# Altium PCB pulser.PcbDoc (part 1 of 2) (continued)
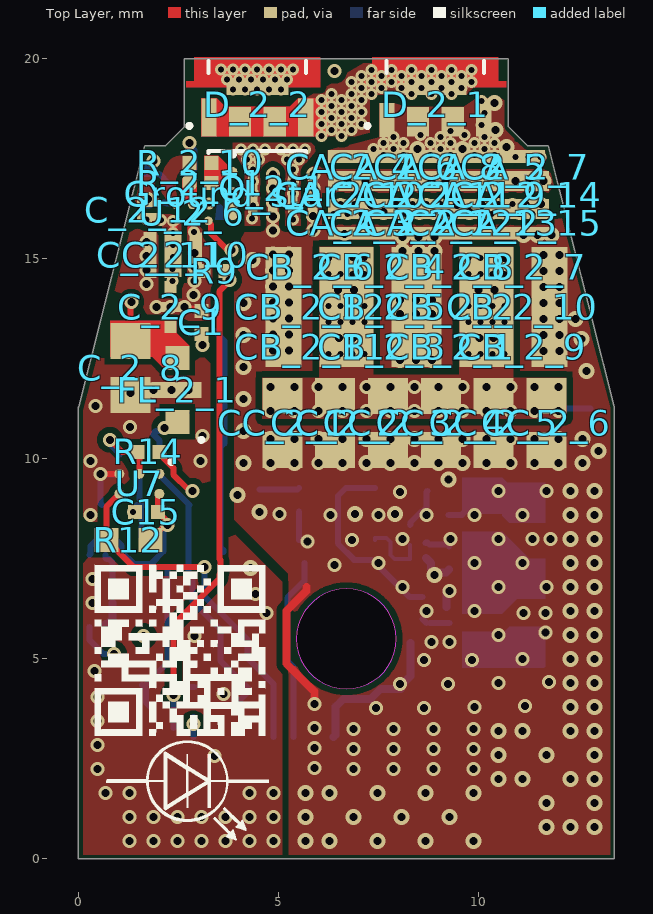
[diagram p0: Top Layer view]
## Footprints (in the part's own frame and the unit in brackets; to place one, negate y for a bottom-side part, rotate by r counter-clockwise, add the part's x,y. Pads: shape width x height; smd on the part's side, far side on the other; paste and mask are expansions set on the pad) (continued)
GND_TIE [mm]
  round 0.35 smd mask+0: 1(0,0)
  round 0.35 smd far side mask+0: 1(0,0)
  round 0.35 on Mid5: 1(0,0)
  round 0.35 on Mid4: 1(0,0)
  round 0.35 on Mid1: 2(0,0)
  round 0.35 on Mid2: 2(0,0)
NFL18ST107H1A3D [mm]
  rect 0.6x0.6 smd: 1(-0.8,0) 3(0.8,0)
  rect 0.4x1.2 smd: 2(0,0)
  body extent -0.8,-0.42 0.8,0.38, height 0.6
Pad-0.6mm [mm] "SMT Test Pad"
  round 0.6 smd paste-5: 1(0,0)
"RES 0201_0603"#1 [mm] "Chip Resistor, 2-Leads, Body 0.60x0.30mm, IPC Medium Density"
  rect 0.35x0.35 smd: 1(-0.275,0) 2(0.275,0)
  body extent -0.3,-0.15 0.3,0.15, height 0.21
"RES 0201_0603"#2 [mm] "Chip Resistor, 2-Leads, Body 0.60x0.30mm, IPC Medium Density"
  rect 0.35x0.35 smd: 1(-0.275,0)
  round 0.025 smd: 2(0.275,0)
  Top Layer region: 0.45,-0.125 0.1,-0.175 0.1,0.175 0.45,0.175
  body extent -0.3,-0.15 0.3,0.15, height 0.21
"RES 0201_0603"#3 [mm] "Chip Resistor, 2-Leads, Body 0.60x0.30mm, IPC Medium Density"
  rect 0.35x0.35 smd: 1(-0.275,0)
  rrect50% 0.35x0.3 smd: 2(0.275,0.025)
  body extent -0.3,-0.15 0.3,0.15, height 0.21
"RES 0201_0603"#4 [mm] "Chip Resistor, 2-Leads, Body 0.60x0.30mm, IPC Medium Density"
  rect 0.35x0.35 smd: 1(-0.275,0)
  rrect50% 0.3x0.3 smd: 2(0.3,-0.025)
  body extent -0.3,-0.15 0.3,0.15, height 0.21
"RES 0201_0603"#5 [mm] "Chip Resistor, 2-Leads, Body 0.60x0.30mm, IPC Medium Density"
  rrect50% 0.35x0.35 smd: 1(-0.275,0)
  rect 0.35x0.35 smd: 2(0.275,0)
  body extent -0.3,-0.15 0.3,0.15, height 0.21
"RES 0402_1005" [mm] "Chip Resistor, 2-Leads, Body 1.0x0.5mm, IPC Medium Density"
  rect 0.6x0.6 smd: 1(-0.55,0) 2(0.55,0)
  body extent -0.5,-0.25 0.5,0.25, height 0.35
SOT65P210X110-5N [mm]
  rect 1x0.4 smd: 1(-0.95,0.65) 2(-0.95,0) 3(-0.95,-0.65) 4(0.95,-0.65) 5(0.95,0.65)
  silkscreen extent -1.55,1.1 -0.43,1.1, body extent -1.05,-1 1.05,1, height 1
SPLS4L90A_3A01#1 [mm]
  rect 0.385x0.95 smd: 1(-1.21,-0.365) 4(1.21,-0.365)
  rect 0.56x0.74 smd: 2(-0.435,-0.47) 3(0.435,-0.47)
  rect 1.55x0.375 smd: 5(0,0.387)
  Top Layer region: -1.775,0.385 1.775,0.385 1.775,0.535 1.575,0.535 1.575,1.135 -1.575,1.135 -1.575,0.535 -1.775,0.535
  silkscreen extent -1.75,-0.62 1.21,1.05, body extent -1.68,-1.22 1.68,1.22, height 0.79
SPLS4L90A_3A01#2 [mm]
  rect 0.385x0.85 smd: 1(-1.21,-0.43)
  rect 0.56x0.74 smd: 2(-0.435,-0.47) 3(0.435,-0.47)
  rect 0.385x0.95 smd: 4(1.21,-0.365)
  rect 1.55x0.375 smd: 5(0,0.387)
  Top Layer region: -1.775,0.385 1.775,0.385 1.775,0.535 1.575,0.535 1.575,1.135 -1.575,1.135 -1.575,0.535 -1.775,0.535
  silkscreen extent -1.75,-0.62 1.21,1.05, body extent -1.68,-1.22 1.68,1.22, height 0.79
SPLS4L90A_3A01#3 [mm]
  rect 0.385x0.95 smd: 1(-1.21,-0.365) 4(1.21,-0.365)
  rect 0.56x0.74 smd: 2(-0.435,-0.47) 3(0.435,-0.47)
  rect 1.55x0.375 smd: 5(0,0.387)
  Top Layer region: -1.775,0.385 1.575,0.385 1.575,0.535 1.575,1.135 -1.575,1.135 -1.575,0.535 -1.775,0.535
  silkscreen extent -1.75,-1.25 1.21,1.05, body extent -1.68,-1.22 1.68,1.22, height 0.79
YZP0005ADAD [mm] "BGA, 5-Balls, Body 1.39x0.89mm, Pitch 0.5mm"
  round 0.25 smd: A1(-0.25,0.5) A2(0.25,0.5) B1(-0.25,0) C1(-0.25,-0.5) C2(0.25,-0.5)
  silkscreen extent -0.6,0.75 -0.5,0.85, body extent -0.45,-0.69 0.45,0.69, height 0.5

## Part data
1 2 3 4 5 6 7 8 9 10 11 _1_11 _2_11: "0.6mm SMT Test Pad", Mounting Technology=SMT
C1 C3 C5 C6 C7 C15: library part GRM033R6YA104ME14D, "CAP CER 0.1UF 35V X5R 0201", Capacitance="0.1 µF", Device Package="0201 (0603 Metric)", Manufacturer="Murata Electronics", Operating Temperature="-55°C ~ 85°C", Supplier Part Number 1=490-10431-1-ND, Temperature Coefficient=X5R, Tolerance=±20%, Voltage - Rated=35V, Applications="General Purpose", ComponentLink1Description=Datasheet, ComponentLink1URL=https://search.murata.co.jp/Ceramy/image/img/A01X/G101/ENG/GRM033R6YA104ME14-01.pdf, ComponentLink2Description="DigiKey Link", ComponentLink2URL=https://www.digikey.com/en/products/detail/murata-electronics/GRM033R6YA104ME14D/5027516, lastupdated="15/07/2023 19:00:56", Lifecycle Status=Active, Minimum Order=1, Mounting Type="Surface Mount", Package / Case="0201 (0603 Metric)", Packaging=CutTape, Part Number=GRM033R6YA104ME14D, Part Status=Active, partid=17, price=0.01, series=GRM, Size / Dimension="0.024\" L x 0.012\" W (0.60mm x 0.30mm)", Supplier 1=Digi-Key, Supplier 2=Mouser, Supplier Part Number 2=81-GRM33R6YA104ME14D, Thickness (Max)="0.013\" (0.33mm)"
C2: library part GCM1555C1H200FA16D, "CAP CER 20PF 50V C0G/NP0 0402", Device Package="0402 (1005 Metric)", Manufacturer="Murata Electronics", Operating Temperature="-55°C ~ 125°C", Ratings=AEC-Q200, Supplier Part Number 1=490-GCM1555C1H200FA16DCT-ND, Temperature Coefficient="C0G, NP0", Tolerance=±1%, Voltage - Rated=50V, Applications=Automotive, Capacitance="20 pF", ComponentLink1Description=Datasheet, ComponentLink1URL=https://search.murata.co.jp/Ceramy/image/img/A01X/G101/ENG/GCM1555C1H200FA16-01.pdf, ComponentLink2Description="DigiKey Link", ComponentLink2URL=https://www.digikey.com/en/products/detail/murata-electronics/GCM1555C1H200FA16D/13401847, lastupdated="15/07/2023 19:03:20", Lifecycle Status=Active, Minimum Order=1, Mounting Type="Surface Mount, MLCC", Package / Case="0402 (1005 Metric)", Packaging=TapeAndReel, Part Number=GCM1555C1H200FA16D, Part Status=Active, partid=45712, price=0.01, series=GCM, Size / Dimension="0.039\" L x 0.020\" W (1.00mm x 0.50mm)", Supplier 1=Digi-Key, Supplier 2=Mouser, Supplier Part Number 2=81-GCM1555C1H200FA6D, Thickness (Max)="0.022\" (0.55mm)"
C4 C13 C14 CC_1_1 CC_1_2 CC_1_3 CC_1_4 CC_1_5 CC_1_6 CC_2_1 CC_2_2 CC_2_3 CC_2_4 CC_2_5 CC_2_6: library part ZRB18AR61E106ME01L, "CAP CER 10UF 25V X5R 0603", Capacitor Type=Ceramic, Case/Package=0603, Manufacturer=Murata, Max Operating Temperature=85°C, Min Operating Temperature=-55°C, Package Shape=Rectangular, Rated DC Voltage (URdc)=25V, Supplier Part Number 1=81-ZRB18AR61E106ME1L, Temperature Characteristics Code=X5R, Tolerance  (fill in as +-)=20%, Category="Ceramic Capacitors", ComponentLink1Description=https://datasheet.ciiva.com:443/pdfs/VipMasterIC/IC/MURE/MURE-S-A0004380799/MURE-S-A0004414239-1.pdf?src-supplier=IHS+Markit, ComponentLink1URL=https://datasheet.ciiva.com:443/pdfs/VipMasterIC/IC/MURE/MURE-S-A0004380799/MURE-S-A0004414239-1.pdf?src-supplier=IHS+Markit, ComponentLink2Description=http://www.farnell.com/datasheets/2243360.pdf?src-supplier=Farnell, ComponentLink2URL=http://www.farnell.com/datasheets/2243360.pdf?src-supplier=Farnell, ComponentLink3Description=http://www.farnell.com/datasheets/2243360.pdf?src-supplier=Newark, ComponentLink3URL=http://www.farnell.com/datasheets/2243360.pdf?src-supplier=Newark, ComponentLink4Description=https://datasheet.octopart.com/ZRB18AR61E106ME01L-Murata-datasheet-67356777.pdf?src-supplier=Element14, ComponentLink4URL=https://datasheet.octopart.com/ZRB18AR61E106ME01L-Murata-datasheet-67356777.pdf?src-supplier=Element14, ComponentLink5Description=https://search.murata.co.jp/Ceramy/image/img/A01X/G101/ENG/ZRB18AR61E106ME01-01.pdf?src-supplier=Digi-Key, ComponentLink5URL=https://search.murata.co.jp/Ceramy/image/img/A01X/G101/ENG/ZRB18AR61E106ME01-01.pdf?src-supplier=Digi-Key, ComponentLink6Description=http://www.farnell.com/datasheets/1885591.pdf?src-supplier=Newark, ComponentLink6URL=http://www.farnell.com/datasheets/1885591.pdf?src-supplier=Newark, ComponentLink7Description=http://www.farnell.com/datasheets/2243360.pdf?src-supplier=Element14, ComponentLink7URL=http://www.farnell.com/datasheets/2243360.pdf?src-supplier=Element14, ComponentLink8Description=https://datasheet.octopart.com/ZRB18AR61E106ME01L-Murata-datasheet-166166243.pdf?src-supplier=TME, ComponentLink8URL=https://datasheet.octopart.com/ZRB18AR61E106ME01L-Murata-datasheet-166166243.pdf?src-supplier=TME, Dielectric Material=Ceramic, Manufacturer Part Number=ZRB18AR61E106ME01L, Mounting Technology="Surface Mount", Multilayer=Yes, Packaging="Tape and Reel", Pins=2, Pricing 1="1=0.36, 10=0.18, 50=0.18, 100=0.128, 1000=0.122, 10000=0.097 (USD)", Reach SVHC Compliant=Yes, RoHS=Yes, RoHS Compliant=Yes, Stock 1=348476, Supplier 1=Mouser, Termination=Wraparound, Tolerance (fill in as +-)=20%
C_1_8 C_2_8 CB_1_1 CB_1_2 CB_1_3 CB_1_4 CB_1_5 CB_1_6 CB_1_7 CB_1_8 CB_1_9 CB_1_10 CB_1_11 CB_1_12 CB_2_1 CB_2_2 CB_2_3 CB_2_4 CB_2_5 CB_2_6 CB_2_7 CB_2_8 CB_2_9 CB_2_10 CB_2_11 CB_2_12: library part GRM188R61H225KE11D, "CAP CER 2.2UF 50V X5R 0603", Device Package="0603 (1608 Metric)", Manufacturer="Murata Electronics", Operating Temperature="-55°C ~ 85°C", Supplier Part Number 1=490-10733-1-ND, Temperature Coefficient=X5R, Tolerance=±10%, Voltage - Rated=50V, Applications="General Purpose", Capacitance="2.2 µF", ComponentLink1Description=Datasheet, ComponentLink1URL=https://search.murata.co.jp/Ceramy/image/img/A01X/G101/ENG/GRM188R61H225KE11-01.pdf, ComponentLink2Description="DigiKey Link", ComponentLink2URL=https://www.digikey.com/en/products/detail/murata-electronics/GRM188R61H225KE11D/4905363, lastupdated="15/07/2023 19:07:37", Lifecycle Status=Active, Minimum Order=1, Mounting Type="Surface Mount, MLCC", Package / Case="0603 (1608 Metric)", Packaging=TapeAndReel, Part Number=GRM188R61H225KE11D, Part Status=Active, partid=39151, price=0.04, series=GRM, Size / Dimension="0.063\" L x 0.031\" W (1.60mm x 0.80mm)", Supplier 1=DigiKey, Supplier 2=Mouser, Supplier Part Number 2=81-GRM188R61H225KE1D, Thickness (Max)="0.039\" (1.00mm)"
C_1_9 C_2_9: "CAP Feed Through, 470 nF, 6.3V, 2A, 3 Pin(s)", Capacitance=470nF, Case/Package=0402, Current=2A, DC Resistance (DCR)=30mR, Manufacturer=Murata, Max Operating Temperature=105°C, Min Operating Temperature=-55°C, Package Quantity=10000, Supplier Part Number=81-NFM15PC474R0J3D, Tolerance=20%, Voltage Rating=4V, Category="Ceramic Capacitors", Channels=1, ComponentLink1Description=https://datasheet.ciiva.com:443/pdfs/VipMasterIC/IC/MURE/MURE-S-A0002978318/MURE-S-A0002990019-1.pdf?src-supplier=IHS+Markit, ComponentLink1URL=https://datasheet.ciiva.com:443/pdfs/VipMasterIC/IC/MURE/MURE-S-A0002978318/MURE-S-A0002990019-1.pdf?src-supplier=IHS+Markit, ComponentLink2Description=http://www.mouser.com/ds/2/281/c31e-794748.pdf?src-supplier=Mouser, ComponentLink2URL=http://www.mouser.com/ds/2/281/c31e-794748.pdf?src-supplier=Mouser, ComponentLink3Description=https://search.murata.co.jp/Ceramy/image/img/A01X/G101/ENG/NFM15PC474R0J3-01.pdf?src-supplier=Digi-Key, ComponentLink3URL=https://search.murata.co.jp/Ceramy/image/img/A01X/G101/ENG/NFM15PC474R0J3-01.pdf?src-supplier=Digi-Key, ComponentLink4Description=http://search.murata.co.jp/Ceramy/image/img/A01X/G101/ENG/NFM15PC474R0J3-01.pdf?src-supplier=Digi-Key, ComponentLink4URL=http://search.murata.co.jp/Ceramy/image/img/A01X/G101/ENG/NFM15PC474R0J3-01.pdf?src-supplier=Digi-Key, ComponentLink5Description=http://search.murata.co.jp/Ceramy/image/img/w_hinm/S0109E.pdf?src-supplier=Digi-Key, ComponentLink5URL=http://search.murata.co.jp/Ceramy/image/img/w_hinm/S0109E.pdf?src-supplier=Digi-Key, ComponentLink6Description=https://datasheet.octopart.com/NFM15PC474R0J3D-Murata-datasheet-82526264.pdf?src-supplier=Future+Electronics, ComponentLink6URL=https://datasheet.octopart.com/NFM15PC474R0J3D-Murata-datasheet-82526264.pdf?src-supplier=Future+Electronics, Current Rating=2A, DC Resistance-Max=30mR, Filter Type="FEED THROUGH CAPACITOR", Height=0.02inch, Length=0.039inch, Manufacturer Part Number=NFM15PC474R0J3D, Mount="Surface Mount", Mounting Technology="Surface Mount", Packaging="Tape and Reel", Pricing="1=0.1, 10=0.048, 50=0.048, 100=0.043, 1000=0.027, 10000=0.024 (USD)", Reach SVHC Compliant=Yes, RoHS=Yes, RoHS Compliant=Yes, Stock=109781, Supplier=Mouser, Supplier 1=Mouser, Supplier Part Number 1=81-NFM15PC474R0J3D, Width=0.02inch
C_1_10 C_2_10 CA_1_1 CA_1_2 CA_1_3 CA_1_4 CA_1_5 CA_1_6 CA_1_7 CA_1_8 CA_1_9 CA_1_10 CA_1_11 CA_1_12 CA_1_13 CA_1_14 CA_1_15 CA_2_1 CA_2_2 CA_2_3 CA_2_4 CA_2_5 CA_2_6 CA_2_7 CA_2_8 CA_2_9 CA_2_10 CA_2_11 CA_2_12 CA_2_13 CA_2_14 CA_2_15: library part CGAEA1X7R1H473M030BC, "CAP CER 47 nF, 50V, 20%  X7R  0204", Manufacturer=TDK, Mouser Part Number=810-CGAEA1X7R1H473M0, Arrow Part Number=CGAEA1X7R1H473M030BC, Arrow Price/Stock=https://www.arrow.com/en/products/cgaea1x7r1h473m030bc/tdk, Category="Ceramic Capacitors", ComponentLink1Description=https://datasheet.ciiva.com:443/pdfs/VipMasterIC/IC/TDKC/TDKC-S-A0005729183/TDKC-S-A0005729183-1.pdf?src-supplier=IHS+Markit, ComponentLink1URL=https://datasheet.ciiva.com:443/pdfs/VipMasterIC/IC/TDKC/TDKC-S-A0005729183/TDKC-S-A0005729183-1.pdf?src-supplier=IHS+Markit, ComponentLink2Description=https://product.tdk.com/info/en/catalog/datasheets/mlcc_automotive_lwreverse_cga_en.pdf?src-supplier=Digi-Key, ComponentLink2URL=https://product.tdk.com/info/en/catalog/datasheets/mlcc_automotive_lwreverse_cga_en.pdf?src-supplier=Digi-Key, Datasheet Link=https://product.tdk.com/system/files/dam/doc/product/capacitor/ceramic/mlcc/catalog/mlcc_automotive_lwreverse_cga_en.pdf, Height=0.35mm, Manufacturer Part Number=CGAEA1X7R1H473M030BC, Manufacturer_Name=TDK, Manufacturer_Part_Number=CGAEA1X7R1H473M030BC, Mouser Price/Stock=https://www.mouser.co.uk/ProductDetail/TDK/CGAEA1X7R1H473M030BC?qs=w%2Fv1CP2dgqqHjWKa5Bydbw%3D%3D, Pricing="1=0.28, 10=0.142, 50=0.142, 100=0.085, 1000=0.075, 10000=0.059 (USD)", RoHS=No, Stock=43378, Supplier=Mouser, Supplier 1=Mouser, Supplier Part Number=810-CGAEA1X7R1H473M0, Supplier Part Number 1=810-CGAEA1X7R1H473M0
C_1_11 C_2_11: library part LLL152D70J105ME01D, "CAP LOW L CER 1UF 6.3V X7T 0204", Manufacturer=Murata, Supplier Part Number=81-LLL152D70J105ME01, Category="Ceramic Capacitors", Manufacturer Part Number=LLL152D70J105ME01D, Pricing="1=0.32, 10=0.173, 50=0.173, 100=0.104, 1000=0.08, 10000=0.06 (USD)", RoHS=No, Stock=241363, Supplier=Mouser, Supplier 1=Mouser, Supplier Part Number 1=81-LLL152D70J105ME01
C_1_12 C_2_12: library part LLL03TR61E333KE01, "CAP LOW L CER 33nF 25V X5R 0102", Manufacturer=Murata, Manufacturer Part Number=LLL03TR61E333KE01L, Supplier Part Number=490-LLL03TR61E333KE01LCT-ND, Supplier Part Number 1=81-LLL03T61E333KE01L, Pricing="1=0.3, 10=0.208, 50=0.1386, 100=0.1179, 500=0.08322, 1000=0.07281, 2500=0.06934, 5000=0.06414 (USD)", Reach SVHC Compliant=Yes, RoHS=Yes, RoHS Compliant=Yes, Stock=19050, Supplier=Digi-Key, Supplier 1=Mouser
D_1_1 D_1_2 D_2_1 D_2_2: "Diode Laser", Manufacturer_Name=OSRAM, Manufacturer_Part_Number="SPL S4L90A_3 A01", Mouser Part Number=720-SPLS4L90A3A01, Datasheet Link=https://dammedia.osram.info/media/resource/hires/osram-dam-6648421/SPL%20S4L90A_3%20A01_EN.pdf, Height=0.69mm, Mouser Price/Stock=https://www.mouser.co.uk/ProductDetail/OSRAM-Opto-Semiconductors/SPL-S4L90A_3-A01?qs=OlC7AqGiEDn4aov%2F5GIeZw%3D%3D, Supplier 1=Mouser, Supplier Part Number 1=720-SPLS4L90A3A01
FB1 FB2: library part BLM18SP101SN1, "FERRITE BEAD 100 OHM 0603 1LN", Manufacturer=Murata, Manufacturer Part Number=BLM18SP101SN1D, Supplier Part Number 1=81-BLM18SP101SN1D, Category="Ferrite Beads and Chips", Pricing 1="1=0.21, 10=0.108, 50=0.108, 100=0.074, 1000=0.055, 10000=0.048 (USD)", RoHS=Yes, Stock 1=17354, Supplier 1=Mouser
FL_1_1 FL_2_1: "LC Filter", Manufacturer_Name="Murata Electronics", Mouser Part Number=81-NFL18ZT506H1A3D, Datasheet Link=https://www.murata.com/en-us/products/productdetail?partno=NFL18ZT506H1A3%23, Height=0.7mm, Manufacturer_Part_Number=NFL18ZT506H1A3D, Mouser Price/Stock=https://www.mouser.co.uk/ProductDetail/Murata-Electronics/NFL18ZT506H1A3D?qs=Ey7%2FXF42M3fNYpmPMs%252BiMA%3D%3D, Supplier 1=Mouser, Supplier Part Number 1=81-NFL18ZT506H1A3D
J1: "Conn FPC  18 POS 0.5mm", Manufacturer=Molex, Manufacturer Part Number=5034801800, Supplier Part Number 1=538-503480-1800, Category="FFC / FPC", ComponentLink1Description=https://datasheet.ciiva.com/671/5034800400-sd-671136.pdf?src-supplier=Digi-Key, ComponentLink1URL=https://datasheet.ciiva.com/671/5034800400-sd-671136.pdf?src-supplier=Digi-Key, ComponentLink2Description=https://datasheet.ciiva.com/10366/5034801800-ffc-fpc-connectors-10366583.pdf?src-supplier=Avnet, ComponentLink2URL=https://datasheet.ciiva.com/10366/5034801800-ffc-fpc-connectors-10366583.pdf?src-supplier=Avnet, ComponentLink3Description=https://datasheet.ciiva.com/5137/5034801800-ffc-fpc-connectors-179548-5137672.pdf?src-supplier=Mouser, ComponentLink3URL=https://datasheet.ciiva.com/5137/5034801800-ffc-fpc-connectors-179548-5137672.pdf?src-supplier=Mouser, Pricing 1="1=1.48, 10=1.23, 50=1.23, 100=1.06, 1000=0.885, 10000=0.766 (USD)", RoHS=Yes, Stock 1=17529, Supplier 1=Mouser
LED1: "Diode LED RED 10 mA @ 1.93 V lv=40", Manufacturer=Kingbright, Supplier Part Number 1=604-APG0603SECETT, Category=LEDs, ComponentLink1Description=https://datasheet.ciiva.com:443/pdfs/VipMasterIC/IC/KBEC/KBEC-S-A0008424280/KBEC-S-A0008424280-1.pdf?src-supplier=IHS+Markit, ComponentLink1URL=https://datasheet.ciiva.com:443/pdfs/VipMasterIC/IC/KBEC/KBEC-S-A0008424280/KBEC-S-A0008424280-1.pdf?src-supplier=IHS+Markit, ComponentLink2Description=http://www.kingbrightusa.com/images/catalog/SPEC/APG0603SEC-E-TT.pdf?src-supplier=Digi-Key, ComponentLink2URL=http://www.kingbrightusa.com/images/catalog/SPEC/APG0603SEC-E-TT.pdf?src-supplier=Digi-Key, Manufacturer Part Number=APG0603SEC-E-TT, Optoelectronic Device Type="SINGLE COLOR LED", Pricing 1="1=0.49, 10=0.299, 50=0.299, 100=0.172, 1000=0.123, 10000=0.106 (USD)", Reach SVHC Compliant=Yes, RoHS=Yes, RoHS Compliant=Yes, Stock 1=6830, Supplier 1=Mouser
LED2: "Diode LED BLUE 10 mA @ 2.9 V lv=60", Manufacturer=Kingbright, Supplier Part Number 1=604-APG0603VBCA15MAV, Category=LEDs, Manufacturer Part Number=APG0603VBC-A1-5MAV, Pricing 1="1=0.64, 10=0.396, 50=0.396, 100=0.228, 1000=0.171, 10000=0.146 (USD)", RoHS=Yes, Stock 1=23353, Supplier 1=Mouser
LED3: "Diode LED GREEN 5 mA @ 2.85 V lv=80(?)", Manufacturer=Kingbright, Supplier Part Number 1=604-APG0603ZGC-5MAV, Category=LEDs, Manufacturer Part Number=APG0603ZGC-5MAV, Pricing 1="1=0.54, 10=0.335, 50=0.335, 100=0.193, 1000=0.139, 10000=0.118 (USD)", RoHS=Yes, Stock 1=11940, Supplier 1=Mouser
Q_1_1 Q_2_1: "Transistor eGaN", Manufacturer_Name=EPC, Supplier Part Number 1=917-EPC2619ENGRTCT-ND, Datasheet Link=https://epc-co.com/epc/Portals/0/epc/documents/datasheets/EPC2619_datasheet.pdf?ver=TMorboM_55DlaHDCA464lg%3d%3d, Height=0.638mm, Manufacturer_Part_Number=EPC2619ENGRT, Supplier 1=Digi-Key
R1 R4: library part ERJ-1GNF4991C_1, "RES SMD 470 OHM 1% 1/20W 0201", Case/Package=0201, Manufacturer=Panasonic, Manufacturer Part Number=ERJ-1GNF4700C, Max Operating Temperature=125°C, Min Operating Temperature=-55°C, Package Height=0.23mm, Package Length=0.6mm, Package Shape=Rectangular, Package Style=SMTMeter, Package Width=0.3mm, Power=50mW, Rated Temperature=70°C, Resistor Type="FIXED RESISTOR", Supplier Part Number=667-ERJ-1GNF4700C, Temperature Coefficient=200ppm/°C, Tolerance=1%, Working Voltage=25V, Category="Chip SMD Resistors", ComponentLink1Description=https://datasheet.ciiva.com:443/pdfs/VipMasterIC/IC/PANA/PANA-S-A0009889626/PANA-S-A0009889626-1.pdf?src-supplier=IHS+Markit, ComponentLink1URL=https://datasheet.ciiva.com:443/pdfs/VipMasterIC/IC/PANA/PANA-S-A0009889626/PANA-S-A0009889626-1.pdf?src-supplier=IHS+Markit, ComponentLink2Description=https://datasheet.ciiva.com/24027/aoa0000ce2-24027045.pdf?src-supplier=Mouser, ComponentLink2URL=https://datasheet.ciiva.com/24027/aoa0000ce2-24027045.pdf?src-supplier=Mouser, ComponentLink3Description=https://datasheet.ciiva.com/43467/1678782-43467046.pdf?src-supplier=Farnell, ComponentLink3URL=https://datasheet.ciiva.com/43467/1678782-43467046.pdf?src-supplier=Farnell, ComponentLink4Description=https://datasheet.ciiva.com/46375/1678782-46375269.pdf?src-supplier=Element14, ComponentLink4URL=https://datasheet.ciiva.com/46375/1678782-46375269.pdf?src-supplier=Element14, ComponentLink5Description=https://datasheet.ciiva.com/7830/1678782-7830713.pdf?src-supplier=Element14, ComponentLink5URL=https://datasheet.ciiva.com/7830/1678782-7830713.pdf?src-supplier=Element14, Construction=Rectangular, JESD-609 Code=e3, Mounting Technology="Surface Mount", Packaging="Tape and Reel", Pins=2, Pricing="1=0.1, 10=0.03, 50=0.03, 100=0.014, 1000=0.01, 10000=0.007 (USD)", Reach SVHC Compliant=Yes, Reference Standard=AEC-Q200, RoHS=Yes, RoHS Compliant=Yes, Stock=294822, Supplier=Mouser, Supplier 1=Mouser, Supplier Part Number 1=667-ERJ-1GNF4700C, Technology="METAL GLAZE/THICK FILM", Terminal Finish=Nickel, Termination=Wraparound
R2 R12: library part ERA-2AEB4991X, "RES SMD 4.99KOHM 0.1% 1/16W 0402", Device Package="0402 (1005 Metric)", Manufacturer="Panasonic Electronic Components", Operating Temperature="-55°C ~ 155°C", Power (Watts)="0.063W, 1/16W", Ratings=AEC-Q200, Resistance="4.99 kOhms", Supplier Device Package=0402, Supplier Part Number 1=10-ERA-2AEB4991XCT-ND, Temperature Coefficient=±25ppm/°C, Tolerance=±0.1%, ComponentLink1Description=Datasheet, ComponentLink1URL=https://industrial.panasonic.com/cdbs/www-data/pdf/RDM0000/AOA0000C307.pdf, ComponentLink2Description="DigiKey Link", ComponentLink2URL=https://www.digikey.com/en/products/detail/panasonic-electronic-components/ERA-2AEB4991X/2026116, Composition="Thin Film", Features="Automotive AEC-Q200", Height - Seated (Max)="0.016\" (0.40mm)", lastupdated="13/07/2023 19:22:52", Lifecycle Status=Active, Minimum Order=1, Number of Terminations=2, Package / Case="0402 (1005 Metric)", Packaging=TapeAndReel, Part Number=ERA-2AEB4991X, Part Status=Active, partid=6112, price=0.04, series=ERA-2A, Size / Dimension="0.039\" L x 0.020\" W (1.00mm x 0.50mm)", Supplier 1=Digi-Key, Supplier 2=Mouser, Supplier Part Number 2=667-ERA-2AEB4991X
R3: library part ERJ-1GNF51R0C, "RES SMD 51 OHM 1% 1/20W 0201", Case/Package=0201, Manufacturer=Panasonic, Manufacturer Part Number=ERJ1GNF51R0C, Max Operating Temperature=125°C, Min Operating Temperature=-55°C, Package Height=0.23mm, Package Length=0.6mm, Package Shape=Rectangular, Package Style=SMTMeter, Package Width=0.3mm, Power=50mW, Rated Temperature=70°C, Resistor Type="FIXED RESISTOR", Supplier Part Number=667-ERJ-1GNF51R0C, Temperature Coefficient=200ppm/°C, Tolerance=1%, Working Voltage=25V, Category="Chip SMD Resistors", ComponentLink1Description=https://datasheet.ciiva.com:443/pdfs/VipMasterIC/IC/PANA/PANA-S-A0009889626/PANA-S-A0009889626-1.pdf?src-supplier=IHS+Markit, ComponentLink1URL=https://datasheet.ciiva.com:443/pdfs/VipMasterIC/IC/PANA/PANA-S-A0009889626/PANA-S-A0009889626-1.pdf?src-supplier=IHS+Markit, ComponentLink2Description=https://datasheet.ciiva.com/43467/1678782-43467023.pdf?src-supplier=Farnell, ComponentLink2URL=https://datasheet.ciiva.com/43467/1678782-43467023.pdf?src-supplier=Farnell, ComponentLink3Description=https://datasheet.ciiva.com/24130/aoa0000ce2-24130655.pdf?src-supplier=Mouser, ComponentLink3URL=https://datasheet.ciiva.com/24130/aoa0000ce2-24130655.pdf?src-supplier=Mouser, ComponentLink4Description=https://datasheet.ciiva.com/46375/1678782-46375932.pdf?src-supplier=Element14, ComponentLink4URL=https://datasheet.ciiva.com/46375/1678782-46375932.pdf?src-supplier=Element14, ComponentLink5Description=https://datasheet.ciiva.com/7891/aoa0000ce2-7891288.pdf?src-supplier=Element14, ComponentLink5URL=https://datasheet.ciiva.com/7891/aoa0000ce2-7891288.pdf?src-supplier=Element14, Construction=Rectangular, JESD-609 Code=e3, Mounting Technology="Surface Mount", Packaging="Tape and Reel", Pins=2, Pricing="1=0.1, 10=0.033, 50=0.033, 100=0.015, 1000=0.011, 10000=0.007 (USD)", Reach SVHC Compliant=Yes, Reference Standard=AEC-Q200, RoHS=Yes, RoHS Compliant=Yes, Stock=39473, Supplier=Mouser, Supplier 1=Mouser, Supplier Part Number 1=667-ERJ-1GNF51R0C, Technology="METAL GLAZE/THICK FILM", Terminal Finish=Nickel, Termination=Wraparound
R6: library part ERJ-U01F1004C, "RES SMD 1MOHM 1% 1/20W 0201", Manufacturer=Panasonic, Supplier Part Number=667-ERJ-U01F1004C, Category="Chip SMD Resistors", ComponentLink1Description=https://datasheet.ciiva.com/24200/ras-erj-u-267552-24200389.pdf?src-supplier=Mouser, ComponentLink1URL=https://datasheet.ciiva.com/24200/ras-erj-u-267552-24200389.pdf?src-supplier=Mouser, Manufacturer Part Number=ERJ-U01F1004C, Pricing="1=0.35, 10=0.157, 50=0.157, 100=0.071, 1000=0.049, 10000=0.038 (USD)", RoHS=Yes, Stock=28729, Supplier=Mouser, Supplier 1=Mouser, Supplier Part Number 1=667-ERJ-U01F1004C
R7: library part ERJ-1RHD1003C, "RES SMD 100 kOHM 0.5% 1/20W 0201", Case/Package=0201, Manufacturer=Panasonic, Max Operating Temperature=125°C, Min Operating Temperature=-55°C, Package Height=0.23mm, Package Length=0.6mm, Package Shape=Rectangular, Package Style=SMTMeter, Package Width=0.3mm, Power=50mW, Rated Temperature=70°C, Resistor Type="FIXED RESISTOR", Supplier Part Number 1=667-ERJ-1RHD1003C, Temperature Coefficient=50ppm/°C, Tolerance=0.5%, Working Voltage=15V, Additional Feature=PRECISION, Category="Chip SMD Resistors", ComponentLink1Description=https://datasheet.ciiva.com:443/pdfs/VipMasterIC/IC/PANA/PANA-S-A0009889626/PANA-S-A0009889626-1.pdf?src-supplier=IHS+Markit, ComponentLink1URL=https://datasheet.ciiva.com:443/pdfs/VipMasterIC/IC/PANA/PANA-S-A0009889626/PANA-S-A0009889626-1.pdf?src-supplier=IHS+Markit, ComponentLink2Description=http://www.mouser.com/ds/2/315/AOA0000C283-1093288.pdf?src-supplier=Mouser, ComponentLink2URL=http://www.mouser.com/ds/2/315/AOA0000C283-1093288.pdf?src-supplier=Mouser, ComponentLink3Description=https://industrial.panasonic.com/cdbs/www-data/pdf/RDA0000/AOA0000C304.pdf?src-supplier=Digi-Key, ComponentLink3URL=https://industrial.panasonic.com/cdbs/www-data/pdf/RDA0000/AOA0000C304.pdf?src-supplier=Digi-Key, ComponentLink4Description=https://industrial.panasonic.com/cdbs/www-data/pdf/RDM0000/DMM0000COL11.pdf?src-supplier=Digi-Key, ComponentLink4URL=https://industrial.panasonic.com/cdbs/www-data/pdf/RDM0000/DMM0000COL11.pdf?src-supplier=Digi-Key, ComponentLink5Description=http://www.onlinecomponents.com/datasheet/erj-1rhd1003c.aspx?p=44466300&src-supplier=Onlinecomponents.com, ComponentLink5URL=http://www.onlinecomponents.com/datasheet/erj-1rhd1003c.aspx?p=44466300&src-supplier=Onlinecomponents.com, ComponentLink6Description=https://datasheet.octopart.com/ERJ-1RHD1003C-Panasonic-datasheet-48891056.pdf?src-supplier=Future+Electronics, ComponentLink6URL=https://datasheet.octopart.com/ERJ-1RHD1003C-Panasonic-datasheet-48891056.pdf?src-supplier=Future+Electronics, ComponentLink7Description=https://datasheet.octopart.com/ERJ-1RHD1003C-Panasonic-datasheet-13266541.pdf?src-supplier=Electro+Sonic, ComponentLink7URL=https://datasheet.octopart.com/ERJ-1RHD1003C-Panasonic-datasheet-13266541.pdf?src-supplier=Electro+Sonic, ComponentLink8Description=https://datasheet.octopart.com/ERJ-1RHD1003C-Panasonic-datasheet-154766169.pdf?src-supplier=Master+Electronics, ComponentLink8URL=https://datasheet.octopart.com/ERJ-1RHD1003C-Panasonic-datasheet-154766169.pdf?src-supplier=Master+Electronics, Construction=Rectangular, JESD-609 Code=e3, Manufacturer Part Number=ERJ-1RHD1003C, Mounting Technology="Surface Mount", Packaging="Tape and Reel", Pins=2, Pricing 1="1=0.14, 10=0.049, 50=0.049, 100=0.03, 1000=0.021, 10000=0.016 (USD)", Reach SVHC Compliant=Yes, RoHS=Yes, RoHS Compliant=Yes, Stock 1=3926, Supplier 1=Mouser, Technology="METAL GLAZE/THICK FILM", Terminal Finish=Nickel, Termination=Wraparound
R9 R13: library part ERJ-1GNF4991C, "RES SMD 4.99 kOHM 1% 1/20W 0201", Manufacturer=Panasonic, Supplier Part Number=667-ERJ-1GNF4991C, Category="Chip SMD Resistors", ComponentLink1Description=https://datasheet.ciiva.com/24210/aoa0000ce2-24210761.pdf?src-supplier=Mouser, ComponentLink1URL=https://datasheet.ciiva.com/24210/aoa0000ce2-24210761.pdf?src-supplier=Mouser, Manufacturer Part Number=ERJ-1GNF4991C, Pricing="1=0.1, 10=0.033, 50=0.033, 100=0.015, 1000=0.011, 10000=0.007 (USD)", RoHS=Yes, Stock=73903, Supplier=Mouser, Supplier 1=Mouser, Supplier Part Number 1=667-ERJ-1GNF4991C
R14: library part ERJ-1GN0R00C, "RES SMD 0OHM 0.1% 1/20W 0201", Case/Package=0201, Manufacturer=Panasonic, Max Operating Temperature=125°C, Min Operating Temperature=-55°C, Package Height=0.23mm, Package Length=0.6mm, Package Shape=Rectangular, Package Style=SMTMeter, Package Width=0.3mm, Power=50mW, Rated Temperature=70°C, Resistor Type="FIXED RESISTOR", Supplier Part Number=667-ERJ-1GN0R00C, Category="Chip SMD Resistors", ComponentLink1Description=https://datasheet.ciiva.com:443/pdfs/VipMasterIC/IC/PANA/PANA-S-A0009459603/PANA-S-A0009459603-1.pdf?src-supplier=IHS+Markit, ComponentLink1URL=https://datasheet.ciiva.com:443/pdfs/VipMasterIC/IC/PANA/PANA-S-A0009459603/PANA-S-A0009459603-1.pdf?src-supplier=IHS+Markit, Construction=Rectangular, JESD-609 Code=e3, Manufacturer Part Number=ERJ-1GN0R00C, Mounting Technology="Surface Mount", Packaging="Tape and Reel", Pins=2, Pricing="1=0.1, 10=0.018, 50=0.018, 100=0.008, 1000=0.006, 10000=0.004 (USD)", Reach SVHC Compliant=Yes, Reference Standard=AEC-Q200, RoHS=Yes, RoHS Compliant=Yes, Stock=4285208, Supplier=Mouser, Supplier 1=Mouser, Supplier Part Number 1=667-ERJ-1GN0R00C, Technology="METAL GLAZE/THICK FILM", Terminal Finish=Nickel, Termination=Wraparound
R_1_10 R_1_11 R_2_10 R_2_11: library part ERJ-1GNJ2R0C, "RES SMD 2 OHM 1% 1/20W 0201", Case/Package=0201, Manufacturer=Panasonic, Max Operating Temperature=125°C, Min Operating Temperature=-55°C, Package Height=0.23mm, Package Length=0.6mm, Package Shape=Rectangular, Package Style=SMTMeter, Package Width=0.3mm, Power=50mW, Rated Temperature=70°C, Resistor Type="FIXED RESISTOR", Supplier Part Number=667-ERJ-1GNJ2R0C, Temperature Coefficient=600ppm/°C, Tolerance=5%, Working Voltage=25V, Category="Chip SMD Resistors", ComponentLink1Description=https://datasheet.ciiva.com:443/pdfs/VipMasterIC/IC/PANA/PANA-S-A0009891627/PANA-S-A0009891627-1.pdf?src-supplier=IHS+Markit, ComponentLink1URL=https://datasheet.ciiva.com:443/pdfs/VipMasterIC/IC/PANA/PANA-S-A0009891627/PANA-S-A0009891627-1.pdf?src-supplier=IHS+Markit, ComponentLink2Description=https://datasheet.ciiva.com/24184/aoa0000ce1-37422-24184055.pdf?src-supplier=Mouser, ComponentLink2URL=https://datasheet.ciiva.com/24184/aoa0000ce1-37422-24184055.pdf?src-supplier=Mouser, Construction=Rectangular, JESD-609 Code=e3, Manufacturer Part Number=ERJ-1GNJ2R0C, Mounting Technology="Surface Mount", Packaging="Tape and Reel", Pins=2, Pricing="1=0.1, 10=0.018, 50=0.018, 100=0.008, 1000=0.006, 10000=0.004 (USD)", Reach SVHC Compliant=Yes, Reference Standard=AEC-Q200, RoHS=Yes, RoHS Compliant=Yes, Stock=8808, Supplier=Mouser, Supplier 1=Mouser, Supplier Part Number 1=667-ERJ-1GNJ2R0C, Technology="METAL GLAZE/THICK FILM", Terminal Finish=Nickel, Termination=Wraparound
U1: "IC temperature sensor", Arrow Part Number=LM94023BITME/NOPB, Manufacturer_Name="Texas Instruments", Mouser Part Number=926-94023BITME/NOPB, Supplier Part Number 1=926-94023bitME/NOPB, Arrow Price/Stock=https://www.arrow.com/en/products/lm94023bitmenopb/texas-instruments, Datasheet Link=http://www.ti.com/lit/gpn/lm94023, Height=0.675mm, Manufacturer_Part_Number=LM94023BITME/NOPB, Mouser Price/Stock=https://www.mouser.co.uk/ProductDetail/Texas-Instruments/LM94023BITME-NOPB?qs=QbsRYf82W3GaNge%252BVoa5rg%3D%3D, Supplier 1=Mouser
U2: "IC Single 2-Input Positive-AND Gate, YZP0005ADAD, LARGE T&R", F @ Nom Voltage(Max)(Mhz)=150, Generic Part Number=SN74LVC1G08, ICC @ Nom Voltage(Max)(mA)=0.01, Manufacturer="Texas Instruments", Operating Temperature Range(C)="-40 to 125,-40 to 85", Rating=Catalog, Supplier Part Number 1=595-SN74LVC1G08YZPR, tpd @ Nom Voltage(Max)(ns)=4.5,6,4,5, Voltage(Nom)(V)=1.8,2.5,3.3,5, 3-State Output=No, Bits(#)=1, DatasheetVersion=SCES217Y, Gate Type=AND, Input Type=CMOS/TTL, Logic=True, Manufacturer Part Number=SN74LVC1G08YZPR, Output Drive (IOL/IOH)(Max)(mA)=32/-32, Output Type=CMOS, PackageReference=YZP0005ADAD, Schmitt Trigger=No, Sub-Family="AND Gate", Supplier 1=Mouser, Technology Family=LVC, VCC(Max)(V)=5.5, VCC(Min)(V)=1.65
U4: "Operational Amplifier", Manufacturer=Maxim, Manufacturer Part Number=MAX40007ANT+T, Supplier Part Number 1=700-MAX40007ANT+T, Amplifier Type="OPERATIONAL AMPLIFIER", Category="Amplifiers - Op Amps, Buffer, Instrumentation", ComponentLink1Description=https://datasheet.ciiva.com:443/pdfs/VipMasterIC/IC/MAXM/MAXM-S-A0004197655/MAXM-S-A0004197655-1.pdf?src-supplier=IHS+Markit, ComponentLink1URL=https://datasheet.ciiva.com:443/pdfs/VipMasterIC/IC/MAXM/MAXM-S-A0004197655/MAXM-S-A0004197655-1.pdf?src-supplier=IHS+Markit, ComponentLink2Description=https://datasheets.maximintegrated.com/en/ds/MAX40007.pdf?src-supplier=Digi-Key, ComponentLink2URL=https://datasheets.maximintegrated.com/en/ds/MAX40007.pdf?src-supplier=Digi-Key, Pricing 1="1=2.12, 10=1.86, 50=1.86, 100=1.53, 1000=1.04, 10000=0.932 (USD)", Reach SVHC Compliant=Yes, RoHS=Yes, RoHS Compliant=Yes, Stock 1=4078, Supplier 1=Mouser
U5: "IC comparator", Average Bias Current-Max (IIB)=2nA, Bias Current-Max (IIB) @25C=1nA, Case/Package=TSSOP, Input Offset Voltage-Max=10mV, Manufacturer=Maxim, Max Operating Temperature=85°C, Max Supply Current=1.3uA, Min Operating Temperature=-40°C, Nominal Supply Voltage=5V, Package Body Material=Plastic, Package Equivalence Code=TSSOP5/6,.08, Package Shape=Rectangular, Package Style="SMALL OUTLINE, THIN PROFILE, SHRINK PITCHMeter", Peak Reflow Temperature (Cel)=260°C, Power Supplies=2.5V, Supplier Part Number 1=700-MAX9118EXKT, Supply Voltage Limit-Max=6V, Temperature Grade=INDUSTRIAL, Amplifier Type=COMPARATOR, Category=Comparators, Channels=1, ComponentLink1Description=https://datasheet.ciiva.com:443/pdfs/VipMasterIC/IC/MAXM/MAXMS06218/MAXMS06218-1.pdf?src-supplier=IHS+Markit, ComponentLink1URL=https://datasheet.ciiva.com:443/pdfs/VipMasterIC/IC/MAXM/MAXMS06218/MAXMS06218-1.pdf?src-supplier=IHS+Markit, ComponentLink2Description=https://datasheet.ciiva.com/1828/max9117-max9120-1828265.pdf?src-supplier=Digi-Key, ComponentLink2URL=https://datasheet.ciiva.com/1828/max9117-max9120-1828265.pdf?src-supplier=Digi-Key, ComponentLink3Description=https://datasheet.ciiva.com/1828/max9117-max9120-1828266.pdf?src-supplier=Digi-Key, ComponentLink3URL=https://datasheet.ciiva.com/1828/max9117-max9120-1828266.pdf?src-supplier=Digi-Key, ComponentLink4Description=https://datasheet.ciiva.com/1828/max9117-max9120-1828267.pdf?src-supplier=Digi-Key, ComponentLink4URL=https://datasheet.ciiva.com/1828/max9117-max9120-1828267.pdf?src-supplier=Digi-Key, ComponentLink5Description=https://datasheet.ciiva.com/2972/max9117-max9120-2972518.pdf?src-supplier=Avnet, ComponentLink5URL=https://datasheet.ciiva.com/2972/max9117-max9120-2972518.pdf?src-supplier=Avnet, ComponentLink6Description=https://datasheet.ciiva.com/2971/max9117-max9120-2971017.pdf?src-supplier=Avnet, ComponentLink6URL=https://datasheet.ciiva.com/2971/max9117-max9120-2971017.pdf?src-supplier=Avnet, ComponentLink7Description=https://datasheet.ciiva.com/12286/max9117-max9120-12286604.pdf?src-supplier=Mouser, ComponentLink7URL=https://datasheet.ciiva.com/12286/max9117-max9120-12286604.pdf?src-supplier=Mouser, Height - Seated (Max)=1.1mm, JESD-30 Code=R-PDSO-G5, JESD-609 Code=e3, Length=2mm, Manufacturer Part Number=MAX9118EXK+T, Moisture Sensitivity Level=1, Output Type=OPEN-DRAIN, Pins=5, Pricing 1="1=2.47, 10=2.16, 50=2.16, 100=1.97, 1000=1.38, 10000=1.26 (USD)", Qualification Status="Not Qualified", Reach SVHC Compliant=Yes, RoHS=Yes, RoHS Compliant=Yes, Stock 1=3088, Supplier 1=Mouser, Surface Mount=Yes, Terminal Finish=Tin, Terminal Form="Gull Wing", Terminal Pitch=0.65mm, Terminal Position=DUAL, Width=1.25mm
U7: "IC Single Inverter Buffer/Driver With Open-Drain Output, YZP0005ADAD, LARGE T&R", F @ Nom Voltage(Max)(Mhz)=150, Generic Part Number=SN74LVC1G06, ICC @ Nom Voltage(Max)(mA)=0.01, Manufacturer="Texas Instruments", Operating Temperature Range(C)="-40 to 125,-40 to 85", Rating=Catalog, Supplier Part Number 1=595-SN74LVC1G06YZPR, tpd @ Nom Voltage(Max)(ns)=6.5,4,3, Voltage(Nom)(V)=1.8,2.5,3.3,5, 3-State Output=No, Bits(#)=1, DatasheetVersion=SCES295W, Input Type=CMOS/TTL, Logic=Inverting, Manufacturer Part Number=SN74LVC1G06YZPR, Output Drive (IOL/IOH)(Max)(mA)=32/-32, Output Type=CMOS, PackageReference=YZP0005ADAD, Schmitt Trigger=No, Sub-Family="Inverting Buffer/Driver", Supplier 1=Mouser, Technology Family=LVC, VCC(Max)(V)=5.5, VCC(Min)(V)=1.65
U_1_6 U_2_6: "IC Pulser", Manufacturer_Name="Texas Instruments", Mouser Part Number=595-LMG1020YFFR, Arrow Part Number=LMG1020YFFR, Arrow Price/Stock=https://www.arrow.com/en/products/lmg1020yffr/texas-instruments?region=nac, Datasheet Link=http://www.ti.com/lit/gpn/lmg1020, Height=0.625mm, Manufacturer_Part_Number=LMG1020YFFR, Mouser Price/Stock=https://www.mouser.co.uk/ProductDetail/Texas-Instruments/LMG1020YFFR?qs=r5DSvlrkXmJq0cROAgTXeg%3D%3D, Supplier 1=Mouser, Supplier Part Number 1=595-LMG1020YFFR

## Via types
v1: diameter 0.3, hole 0.15, Int4(GND) to Bottom Layer, tented both sides, 182 vias
v2: diameter 0.3, hole 0.15, Top Layer to Int1(GND), tented both sides, 180 vias
v3: diameter 0.4, hole 0.2, Top Layer to Bottom Layer, tented both sides, 164 vias
v4: diameter 0.35, hole 0.2, Top Layer to Bottom Layer, tented both sides, 114 vias
v5: diameter 0.35, hole 0.2, Top Layer to Int1(GND), tented both sides, 59 vias
v6: diameter 0.35, hole 0.2, Int4(GND) to Bottom Layer, tented both sides, 45 vias

## Nets (pads, with @x,y where several pads share a name; then routed paths per layer and width w, separated by ;. In a path a pad name is that pad's centre, name@x,y a point inside that pad or via, vN(x,y) a via of type N, cw(c..) or ccw(c..) an arc to the next point about the centre after c; other vN are vias at no path point)
3V3_P: C5.2 C6.2 J1.10 U4.B2 U5.5 | length 12.4
  Int4(GND) w0.15: v6(5.64,9.175) 5.675,9.14 v6(5.675,7.4) ; v6@5.64,9.2 8.2,9.2 9.23,8.17 9.23,8.02 v6(9.268,7.982)
  Bottom Layer w0.15: C5.2@4.525,9.235 5.475,9.235 U5.5@5.515,9.275 ; J1.10@5.383,3.05 5.383,4.797 5.225,4.954 5.225,6.525 5.65,6.95 v6@5.65,7.4 ; U4.B2@8.677,7.893 8.696,7.912 8.722,7.912 8.774,7.86 9.215,7.86 C6.2@9.268,7.807 v6(9.268,7.982)